# Altium PCB 2312_BadgePlaceTravail.PcbDoc (part 1 of 2) (continued)
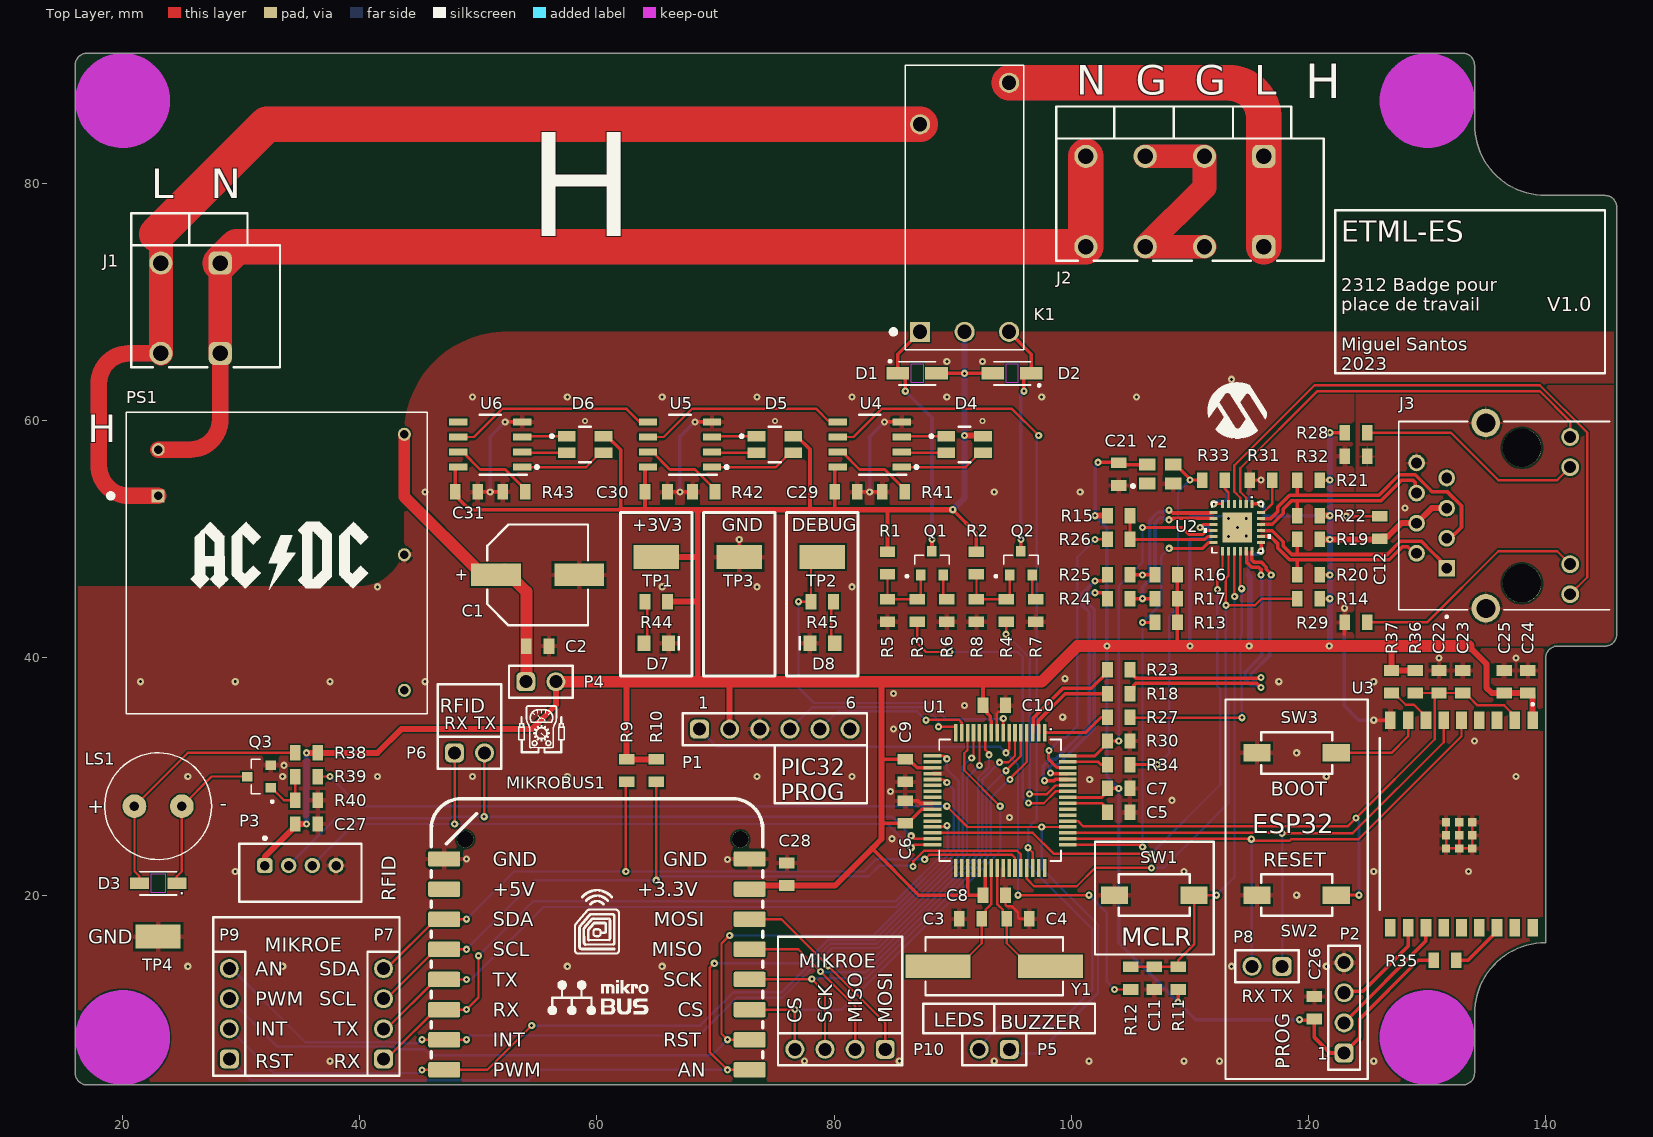
[diagram p0: Top Layer view]
## Footprints (in the part's own frame and the unit in brackets; to place one, negate y for a bottom-side part, rotate by r counter-clockwise, add the part's x,y. Pads: shape width x height; smd on the part's side, far side on the other; paste and mask are expansions set on the pad)
2312-RES-0805 [mm]
  rect 0.9x1.3 smd: 1(-0.95,0) 2(0.95,0)
  body extent -1,-0.63 1,0.63, height 0.52
61300211121 [mm] "Pin Header, pitch 2.54 mm, THT, Vertical, single row, 2p"
  rrect50% 1.6x1.6 hole 1.1: 1(-1.27,0)
  round 1.6 hole 1.1: 2(1.27,0)
  silkscreen extent -2.69,-1.35 2.69,1.35, body extent -2.54,-1.27 2.54,1.27, height 8.57
61300411121 [mm] "Pin Header, pitch 2.54 mm, THT, Vertical, single row, 4p"
  rrect50% 1.6x1.6 hole 1.1: 1(-3.81,0)
  round 1.6 hole 1.1: 2(-1.27,0) 3(1.27,0) 4(3.81,0)
  silkscreen extent -5.23,-1.35 5.23,1.35, body extent -5.08,-1.27 5.08,1.27, height 8.57
61300611121 [mm] "Pin Header, pitch 2.54 mm, THT, Vertical, single row, 6p"
  rrect50% 1.6x1.6 hole 1.1: 1(-6.35,0)
  round 1.6 hole 1.1: 2(-3.81,0) 3(-1.27,0) 4(1.27,0) 5(3.81,0) 6(6.35,0)
  silkscreen extent -7.77,-1.35 7.77,1.35, body extent -7.62,-1.27 7.62,1.27, height 8.57
62000411622 [mm] "2.00mm Male Vertical Shrouded Header, 4p"
  rrect50% 1.3x1.3 hole 0.8: 1(3,-0.6)
  round 1.3 hole 0.8: 2(1,-0.6) 3(-1,-0.6) 4(-3,-0.6)
  silkscreen extent -5.15,-3.02 5.15,2.45, body extent -5,-2.35 5,2.35, height 6.13
691401700002B [mm] "5.00 mm Screwless Vertical Entry - 2.0 mm2 Wires, 2p"
  rrect50% 1.95x1.95 hole 1.3: 1(-1.23,5.32) 1(-1.23,-2.3)
  round 1.95 hole 1.3: 2(3.77,5.32) 2(3.77,-2.3)
  silkscreen extent -6.27,-6.5 6.27,6.5, body extent -6.27,-6.5 6.27,6.5, height 14.05
691401700004B [mm] "5.00 mm Screwless Vertical Entry - 2.0 mm2 Wires, 4p"
  rrect50% 1.95x1.95 hole 1.3: 1(-6.23,5.32) 1(-6.23,-2.3)
  round 1.95 hole 1.3: 2(-1.23,5.32) 2(-1.23,-2.3) 3(3.77,5.32) 3(3.77,-2.3) 4(8.77,-2.3) 4(8.77,5.32)
  silkscreen extent -11.27,-6.5 11.27,6.5, body extent -11.27,-6.5 11.27,6.5, height 14.1
ADW1203HLW [mm]
  rect 1.7x1.7 hole 1.2: 1(-10.5,3.75)
  round 1.7 hole 1.2: 3(7,3.75) 5(10.5,-3.75) 6(-10.5,-3.75) 7(-10.5,0)
  silkscreen extent -12,-5 12,6.2, body extent -12,-5 12,5, height 15.8
CONV_RAC05-3.3SK [mm]
  rect 1.11x1.11 hole 0.71: 1(-10,5.67)
  round 1.11 hole 0.71: 2(-10,9.57) 3(10.76,-10.73) 4(10.76,0.7) 5(10.76,10.86)
  silkscreen extent -14.2,-12.7 12.7,12.7, body extent -12.8,-12.8 12.8,12.8, height 16.6
CUI_CRJ011-ML3-TH [mm]
  round 1.508 hole 1: 9(-6.63,-4.06) 10(-4.09,-4.06) 11(4.09,-4.06) 12(6.63,-4.06)
  rect 1.408x1.408 / inner round 1.408 / far side rect 1.408x1.408 hole 0.9: P1(-4.445,6.35)
  round 1.408 hole 0.9: P2(-3.175,8.89) P3(-1.905,6.35) P4(-0.635,8.89) P5(0.635,6.35) P6(1.905,8.89) P7(3.175,6.35) P8(4.445,8.89)
  round 2.4 hole 1.6: S1(-7.815,3.05) S2(7.815,3.05)
  round 3.25 hole 3.25 unplated: ""(-5.715,0) ""(5.715,0)
  silkscreen extent -8.62,-7.39 7.94,10.38, body extent -8.36,-10.92 8.32,10.35, height 13.6
D0008A_M [mm]
  rrect10% 1.55x0.6 smd paste+0: 1(-2.7,1.905) 2(-2.7,0.635) 3(-2.7,-0.635) 4(-2.7,-1.905) 5(2.7,-1.905) 6(2.7,-0.635) 7(2.7,0.635) 8(2.7,1.905)
  silkscreen extent -4.06,-2.5 0.9,2.55, body extent -3.01,-2.45 3.01,2.45, height 1.63
ESP32C3WROOM02N4 [mm]
  rect 1.5x0.9 smd: 1(-8.75,12.9) 2(-8.75,11.4) 3(-8.75,9.9) 4(-8.75,8.4) 5(-8.75,6.9) 6(-8.75,5.4) 7(-8.75,3.9) 8(-8.75,2.4) 9(-8.75,0.9) 10(8.75,0.9) 11(8.75,2.4) 12(8.75,3.9) 13(8.75,5.4) 14(8.75,6.9) 15(8.75,8.4) 16(8.75,9.9) 17(8.75,11.4) 18(8.75,12.9)
  rect 0.7x0.7 smd: 9(-0.14,7.8) 9(-0.14,6.7) 9(-0.14,5.6) 9(0.96,7.8) 9(0.96,6.7) 9(0.96,5.6) 9(2.06,7.8) 9(2.06,5.6) 9(2.06,6.7)
  silkscreen extent -10.2,0 7.25,13, body extent -9.01,0 8.99,20, height 3.2
KSTN-5019_V [mm] "Test Point, 1-Leads, Body 3.81x2.03mm"
  rect 3.8x2.03 smd: 1(0,0)
  body extent -1.9,-1.01 1.9,1.02, height 2.29
MBR0580S1-7_DIO [mil]
  rect 63x39 smd paste+0 mask+0: 1(-62.22,0) 2(62.22,0)
  Keep-Out Layer region: -23.62,-31.5 -23.62,31.5 23.62,31.5 23.62,-31.5
  silkscreen extent -61,-39 61,39, body extent -80,-34 80,34, height 53
MBR0580S1-7_DIO-M [mil]
  rect 75x41 smd paste+0 mask+0: 1(-64.22,0) 2(64.22,0)
  Keep-Out Layer region: -19.68,-31.5 -19.68,31.5 19.68,31.5 19.68,-31.5
  silkscreen extent -94,-38 61,44, body extent -80,-34 80,34, height 53
"MIKROBUS HOST SMD 16 - BLACK" [mm]
  round 1.4 hole 1.4 unplated: 0(-12.094,-9.703) 0(11.106,-9.703)
  rrect20% 2.7x1.3 smd mask+0.076: 1(-12.88,9.728) 2(-12.88,7.188) 3(-12.88,4.648) 4(-12.88,2.108) 5(-12.88,-0.432) 6(-12.88,-2.972) 7(-12.88,-5.512) 8(-12.88,-8.052) 9(12.88,-8.052) 10(12.88,-5.512) 11(12.88,-2.972) 12(12.88,-0.432) 13(12.88,2.108) 14(12.88,4.648) 15(12.88,7.188) 16(12.88,9.728)
  silkscreen extent -13.97,-13.13 13.97,8.71, body extent -13.72,-11.88 13.74,11.02, height 11.01
QFN24-6X6_MC_MCH [mm]
  rect 0.68x0.254 smd paste+0 mask+0: 1(-2,1.25) 2(-2,0.75) 3(-2,0.25) 4(-2,-0.25) 5(-2,-0.75) 6(-2,-1.25) 13(2,-1.25) 14(2,-0.75) 15(2,-0.25) 16(2,0.25) 17(2,0.75) 18(2,1.25)
  rect 0.254x0.68 smd paste+0 mask+0: 7(-1.25,-2) 8(-0.75,-2) 9(-0.25,-2) 10(0.25,-2) 11(0.75,-2) 12(1.25,-2) 19(1.25,2) 20(0.75,2) 21(0.25,2) 22(-0.25,2) 23(-0.75,2) 24(-1.25,2)
  rect 2.5x2.5 smd paste-1.283 mask+0: 25(0,0)
  silkscreen extent -2.13,-2.82 2.13,2.82, body extent -2.01,-2.01 2.01,2.01, height 0.92
SOT91P240X120-3N [mm]
  rect 0.8x0.9 smd: 1(0,1) 2(-0.95,-1) 3(0.95,-1)
  silkscreen extent -2.21,-1.21 1.45,0.65, body extent -1.45,-1.21 1.45,1.21, height 1.02
TQFP64_10X10MC_MCH [mm]
  rect 1.5x0.3 smd paste+0 mask+0: 1(-5.7,3.75) 2(-5.7,3.25) 3(-5.7,2.75) 4(-5.7,2.25) 5(-5.7,1.75) 6(-5.7,1.25) 7(-5.7,0.75) 8(-5.7,0.25) 9(-5.7,-0.25) 10(-5.7,-0.75) 11(-5.7,-1.25) 12(-5.7,-1.75) 13(-5.7,-2.25) 14(-5.7,-2.75) 15(-5.7,-3.25) 16(-5.7,-3.75) 33(5.7,-3.75) 34(5.7,-3.25) 35(5.7,-2.75) 36(5.7,-2.25) 37(5.7,-1.75) 38(5.7,-1.25) 39(5.7,-0.75) 40(5.7,-0.25) 41(5.7,0.25) 42(5.7,0.75) 43(5.7,1.25) 44(5.7,1.75) 45(5.7,2.25) 46(5.7,2.75) 47(5.7,3.25) 48(5.7,3.75)
  rect 0.3x1.5 smd paste+0 mask+0: 17(-3.75,-5.7) 18(-3.25,-5.7) 19(-2.75,-5.7) 20(-2.25,-5.7) 21(-1.75,-5.7) 22(-1.25,-5.7) 23(-0.75,-5.7) 24(-0.25,-5.7) 25(0.25,-5.7) 26(0.75,-5.7) 27(1.25,-5.7) 28(1.75,-5.7) 29(2.25,-5.7) 30(2.75,-5.7) 31(3.25,-5.7) 32(3.75,-5.7) 49(3.75,5.7) 50(3.25,5.7) 51(2.75,5.7) 52(2.25,5.7) 53(1.75,5.7) 54(1.25,5.7) 55(0.75,5.7) 56(0.25,5.7) 57(-0.25,5.7) 58(-0.75,5.7) 59(-1.25,5.7) 60(-1.75,5.7) 61(-2.25,5.7) 62(-2.75,5.7) 63(-3.25,5.7) 64(-3.75,5.7)
  silkscreen extent -5.13,-5.13 5.13,5.13, body extent -5.99,-5.99 5.99,5.99, height 1.2
WCAP-CSGP_0805_L2W1.25H0.6_Reflow [mm] "Ceramic Capacitors, body 2x1.25mm"
  rect 0.9x1.3 smd: 1(-0.95,0) 2(0.95,0)
  body extent -1,-0.63 1,0.63, height 0.6
WCAP-CSGP_0805_L2W1.25H0.8_Reflow [mm] "Ceramic Capacitors, body 2x1.25mm"
  rect 0.9x1.3 smd: 1(-0.95,0) 2(0.95,0)
  body extent -1,-0.62 1,0.63, height 0.8
WCAP-CSGP_0805_L2W1.25H1.25 [mm] "Ceramic Capacitors, body 2x1.25mm"
  rect 0.9x1.3 smd: 1(-0.95,0) 2(0.95,0)
  body extent -1,-0.63 1,0.63, height 1.25
WCAP-PSHP_D8H7.7 [mm] "Aluminium Polymer V-Chip SMT Capacitors, D8mm x L7.7mm"
  rect 4.2x1.9 smd: 1(3.5,0) 2(-3.5,0)
  silkscreen extent -4.25,-4.25 4.25,4.25, body extent -4.5,-4.15 4.5,4.15, height 7.7
WE-SPXO_CFPS-39 [mm] "Simple Packaged Quartz Oscillator, body 3.2x2.5mm"
  rect 1.4x1 smd: 1(-1.1,-0.8) 2(1.1,-0.8) 3(1.1,0.8) 4(-1.1,0.8)
  silkscreen extent -2.42,-1.12 -2.17,-0.88, body extent -1.6,-1.25 1.6,1.25, height 1.05
WE-XTAL_HC49/4HSMX [mm] "Quartz Crystal, size HC49/4HSMX, body 11.4x4.9mm"
  rect 5.5x2 smd: 1(-4.75,0) 2(4.75,0)
  silkscreen extent -5.8,-2.45 5.8,2.45, body extent -6.7,-2.45 6.7,2.45, height 4.3
WL-SFTW_3528_150141M173100 [mm] "SMT Full-color TOP LED Waterclear, body 3.5x2.8mm"
  rect 1.5x0.9 smd: 1(1.55,0.7) 2(1.55,-0.7) 3(-1.55,0.7) 4(-1.55,-0.7)
  silkscreen extent -2.92,-1.5 0.5,1.5, body extent -1.75,-1.4 1.75,1.4, height 1.9
WL-SMCW_0805_150080xx75000 [mm] "SMD Mono-color Chip LED, body 2.0x1.25mm"
  rect 1.1x1.3 smd: 1(-1.05,0) 2(1.05,0)
  silkscreen extent -2,-0.6 -1.8,0.6, body extent -1,-0.63 1,0.62, height 0.7
WS-TASV_L6W3.5H5_4341x10508x6 [mm] "SMD Tact Switch, body 6x3.5mm"
  rect 2.3x1.5 smd: 1(-3.35,0) 2(3.35,0)
  silkscreen extent -3,-1.75 3,1.75, body extent -4,-1.75 4,1.75, height 5
XDCR_CMT-0904-83T [mm]
  round 2 hole 0.8: N(2,0) P(-2,0)
  silkscreen extent -4.5,-4.5 4.5,4.5, body extent -4.5,-4.5 4.5,4.5, height 4.85

## Part data
C1: "WCAP-PSHP Aluminum Polymer Capacitor, V-Chip, SMT, D8 x H7.7mm, 470µF, 6.3V", Capacitance=470µF, Capacitance Tolerance=+/-20%, Leakage Current=592µA, Manufacturer="Wurth Elektronik", Operating Temperature Max=105°C, Operating Temperature Min=-55°C, Rated Voltage (DC)=6.3V, Ripple Current=3500mA, Category="Aluminum Polymer Capacitors", ComponentLink1Description="Website Link", ComponentLink1URL=https://www.we-online.com/redexpert/article/875115150005?ad, ComponentLink2Description="Datasheet Link", ComponentLink2URL=https://www.we-online.com/redexpert/spec/875115150005?ad, Diameter=8mm, Dissipation Factor=8%, Endurance=2000h, ESR=20mΩ, Height=7.7mm, Manufacturer Part Number=875115150005, Match Code=WCAP-PSHP, Mount="Surface Mount", Packaging="Tape and Reel", Technical Reference=PSEE077471M6R3DVCTDB000
C2 C6 C7 C8 C9 C10 C11 C14 C16 C18 C21 C23 C25 C26 C27 C28 C29 C30 C31: "WCAP-CSGP Multilayer Ceramic Chip Capacitor, General Purpose, size 0805, X7R, 100nF, 10VDC", Capacitance=100nF, Capacitance Tolerance=+/-10%, Case/Size Code=0805, Insulation Resistance=5GΩ, Manufacturer="Wurth Elektronik", Operating Temperature Max=125°C, Operating Temperature Min=-55°C, Rated Voltage (DC)=10V, Category="Multilayer Ceramic Chip Capacitors", Ceramic Type=X7R, ComponentLink1Description="Website Link", ComponentLink1URL=https://www.we-online.com/redexpert/article/885012207016?ad, ComponentLink2Description="Datasheet Link", ComponentLink2URL=https://www.we-online.com/redexpert/spec/885012207016?ad, Dissipation Factor=5%, Height=0.8mm, Length=2mm, Manufacturer Part Number=885012207016, Match Code=WCAP-CSGP, Mount="Surface Mount", Packaging="Tape and Reel", Technical Reference=X7R0805104K010DFCT10000, Width=1.25mm
C3 C4: "WCAP-CSGP Multilayer Ceramic Chip Capacitor, General Purpose, size 0805, NP0, 22pF, 10VDC", Capacitance=22pF, Capacitance Tolerance=+/-5%, Case/Size Code=0805, Insulation Resistance=10GΩ, Manufacturer="Wurth Elektronik", Operating Temperature Max=125°C, Operating Temperature Min=-55°C, Rated Voltage (DC)=10V, Category="Multilayer Ceramic Chip Capacitors", Ceramic Type=NP0, ComponentLink1Description="Website Link", ComponentLink1URL=https://www.we-online.com/redexpert/article/885012007002?ad, ComponentLink2Description="Datasheet Link", ComponentLink2URL=https://www.we-online.com/redexpert/spec/885012007002?ad, Height=0.6mm, Length=2mm, Manufacturer Part Number=885012007002, Match Code=WCAP-CSGP, Mount="Surface Mount", Packaging="Tape and Reel", Q Factor=840, Technical Reference=NP00805220J010DFCT10000, Width=1.25mm
C5: "WCAP-CSGP Multilayer Ceramic Chip Capacitor, General Purpose, size 0805, X7R, 10µF, 6.3VDC", Capacitance=10µF, Capacitance Tolerance=+/-10%, Case/Size Code=0805, Insulation Resistance=0.01GΩ, Manufacturer="Wurth Elektronik", Operating Temperature Max=125°C, Operating Temperature Min=-55°C, Rated Voltage (DC)=6.3V, Category="Multilayer Ceramic Chip Capacitors", Ceramic Type=X7R, ComponentLink1Description="Website Link", ComponentLink1URL=https://www.we-online.com/redexpert/article/885012207003?ad, ComponentLink2Description="Datasheet Link", ComponentLink2URL=https://www.we-online.com/redexpert/spec/885012207003?ad, Dissipation Factor=10%, Height=1.25mm, Length=2mm, Manufacturer Part Number=885012207003, Match Code=WCAP-CSGP, Mount="Surface Mount", Packaging="Tape and Reel", Technical Reference=X7R0805106K6R3DFCT10000, Width=1.25mm
C12: "WCAP-CSGP Multilayer Ceramic Chip Capacitor, General Purpose, size 0805, X7R, 22nF, 10VDC", Capacitance=22nF, Capacitance Tolerance=+/-10%, Case/Size Code=0805, Insulation Resistance=10GΩ, Manufacturer="Wurth Elektronik", Operating Temperature Max=125°C, Operating Temperature Min=-55°C, Rated Voltage (DC)=10V, Category="Multilayer Ceramic Chip Capacitors", Ceramic Type=X7R, ComponentLink1Description="Website Link", ComponentLink1URL=https://www.we-online.com/redexpert/article/885012207013?ad, ComponentLink2Description="Datasheet Link", ComponentLink2URL=https://www.we-online.com/redexpert/spec/885012207013?ad, Dissipation Factor=5%, Height=0.8mm, Length=2mm, Manufacturer Part Number=885012207013, Match Code=WCAP-CSGP, Mount="Surface Mount", Packaging="Tape and Reel", Technical Reference=X7R0805223K010DFCT10000, Width=1.25mm
C13 C15 C17 C19 C22: "WCAP-CSGP Multilayer Ceramic Chip Capacitor, General Purpose, size 0805, X7R, 1µF, 10VDC", Capacitance=1µF, Capacitance Tolerance=+/-10%, Case/Size Code=0805, Insulation Resistance=0.5GΩ, Manufacturer="Wurth Elektronik", Operating Temperature Max=125°C, Operating Temperature Min=-55°C, Rated Voltage (DC)=10V, Category="Multilayer Ceramic Chip Capacitors", Ceramic Type=X7R, ComponentLink1Description="Website Link", ComponentLink1URL=https://www.we-online.com/redexpert/article/885012207022?ad, ComponentLink2Description="Datasheet Link", ComponentLink2URL=https://www.we-online.com/redexpert/spec/885012207022?ad, Dissipation Factor=5%, Height=1.25mm, Length=2mm, Manufacturer Part Number=885012207022, Match Code=WCAP-CSGP, Mount="Surface Mount", Packaging="Tape and Reel", Technical Reference=X7R0805105K010DFCT10000, Width=1.25mm
C20: "WCAP-CSGP Multilayer Ceramic Chip Capacitor, General Purpose, size 0805, NP0, 470pF, 10VDC", Capacitance=470pF, Capacitance Tolerance=+/-5%, Case/Size Code=0805, Insulation Resistance=10GΩ, Manufacturer="Wurth Elektronik", Operating Temperature Max=125°C, Operating Temperature Min=-55°C, Rated Voltage (DC)=10V, Category="Multilayer Ceramic Chip Capacitors", Ceramic Type=NP0, ComponentLink1Description="Website Link", ComponentLink1URL=https://www.we-online.com/redexpert/article/885012007007?ad, ComponentLink2Description="Datasheet Link", ComponentLink2URL=https://www.we-online.com/redexpert/spec/885012007007?ad, Height=0.8mm, Length=2mm, Manufacturer Part Number=885012007007, Match Code=WCAP-CSGP, Mount="Surface Mount", Packaging="Tape and Reel", Q Factor=1000, Technical Reference=NP00805471J010DFCT10000, Width=1.25mm
C24: "WCAP-CSGP Multilayer Ceramic Chip Capacitor, General Purpose, size 0805, X5R, 10µF, 6.3VDC", Capacitance=10µF, Capacitance Tolerance=+/-20%, Case/Size Code=0805, Insulation Resistance=0.01GΩ, Manufacturer="Wurth Elektronik", Operating Temperature Max=85°C, Operating Temperature Min=-55°C, Rated Voltage (DC)=6.3V, Category="Multilayer Ceramic Chip Capacitors", Ceramic Type=X5R, ComponentLink1Description="Website Link", ComponentLink1URL=https://www.we-online.com/redexpert/article/885012107004?ad, ComponentLink2Description="Datasheet Link", ComponentLink2URL=https://www.we-online.com/redexpert/spec/885012107004?ad, Dissipation Factor=15%, Height=1.25mm, Length=2mm, Manufacturer Part Number=885012107004, Match Code=WCAP-CSGP, Mount="Surface Mount", Packaging="Tape and Reel", Technical Reference=X5R0805106M6R3DFCT10000, Width=1.25mm
D1 D2 D3: "Diode Shottky, 500mA, 80V", Mfr_Name="Diodes Inc", Digi-Key_Part_Number_1=MBR0580S1-7DITR-ND, Digi-Key_Part_Number_2=MBR0580S1-7DICT-ND, Digi-Key_Part_Number_3=MBR0580S1-7DIDKR-ND, RefDes=RefDes, Type=Type
D4 D5 D6: "WL-SFTW Full-color TOP LED Waterclear, size 3528, Red & Green & Blue, 120°", Case/Size Code=3528, Emitting Color="Red & Green & Blue", Forward Voltage (Blue)=3.2V, Forward Voltage (Red)=2V, Manufacturer="Wurth Elektronik", Operating Temperature Max=85°C, Operating Temperature Min=-40°C, Category="Signal LEDs", Chip Technology="AlInGaP + InGaN", ComponentLink1Description="Website Link", ComponentLink1URL=https://www.we-online.com/redexpert/article/150141M173100?ad, ComponentLink2Description="Datasheet Link", ComponentLink2URL=https://www.we-online.com/redexpert/spec/150141M173100?ad, Dominant Wavelength (Blue)=470nm, Dominant Wavelength (Green)=520nm, Dominant Wavelength (Red)=625nm, Forward Voltage (Green)=3.2V, Height=1.9mm, Length=3.5mm, Luminous Intensity (Blue)=230mcd, Luminous Intensity (Green)=950mcd, Luminous Intensity (Red)=270mcd, Manufacturer Part Number=150141M173100, Match Code=WL-SFTW, Mount="Surface Mount", Packaging="Tape and Reel", Peak Wavelength (Blue)=465nm, Peak Wavelength (Green)=515nm, Peak Wavelength (Red)=635nm, Viewing Angle=120°, Width=2.8mm
D7 D8: "WL-SMCW Mono-color Chip LED Waterclear, size 0805, Super Red, 1.9V, 140°", Case/Size Code=0805, Emitting Color="Super Red", Forward Voltage=1.9V, Manufacturer="Wurth Elektronik", Operating Temperature Max=85°C, Operating Temperature Min=-40°C, Category="Signal LEDs", Chip Technology=AlInGaP, ComponentLink1Description="Website Link", ComponentLink1URL=https://www.we-online.com/redexpert/article/150080SS75000?ad, ComponentLink2Description="Datasheet Link", ComponentLink2URL=https://www.we-online.com/redexpert/spec/150080SS75000?ad, Dominant Wavelength=630nm, Height=0.7mm, Length=2mm, Luminous Intensity=60mcd, Manufacturer Part Number=150080SS75000, Match Code=WL-SMCW, Mount="Surface Mount", Packaging="Tape and Reel", Peak Wavelength=645nm, Viewing Angle=140°, Width=1.25mm
J1: "WR-TBL Series 401B Vertical Entry, THT, pitch 5mm, 2p", Manufacturer="Wurth Elektronik", Operating Temperature Max=105°C, Operating Temperature Min=-40°C, Rated Current=10A, Working Voltage=300V, Application=Screwless, Category="Terminal Blocks", ComponentLink1Description="Website Link", ComponentLink1URL=https://www.we-online.com/redexpert/article/691401700002B?ad, ComponentLink2Description="Datasheet Link", ComponentLink2URL=https://www.we-online.com/redexpert/spec/691401700002B?ad, Manufacturer Part Number=691401700002B, Match Code=WR-TBL, Modularity=No, Mount="Through Hole", Number of Pins=2, Number of Rows=1, Orientation=Vertical, Packaging=Box, Pitch=5mm
J2: "WR-TBL Series 401B Vertical Entry, THT, pitch 5mm, 4p", Manufacturer="Wurth Elektronik", Operating Temperature Max=105°C, Operating Temperature Min=-40°C, Rated Current=10A, Working Voltage=300V, Application=Screwless, Category="Terminal Blocks", ComponentLink1Description="Website Link", ComponentLink1URL=https://www.we-online.com/redexpert/article/691401700004B?ad, ComponentLink2Description="Datasheet Link", ComponentLink2URL=https://www.we-online.com/redexpert/spec/691401700004B?ad, Manufacturer Part Number=691401700004B, Match Code=WR-TBL, Modularity=No, Mount="Through Hole", Number of Pins=4, Number of Rows=1, Orientation=Vertical, Packaging=Box, Pitch=5mm
J3: "Modular Jack", Package=None, Availability=Unavailable, MP=CRJ011-ML3-TH, Price=None
K1: "RELAY GEN PURPOSE SPST 16A 3V", Manufacturer="Panasonic Electric Works", Rated Current=16A, Working Voltage=3V, Manufacturer Part Number=ADW1203HLW
LS1: "Buzzer Magnetic, 15Ω", Package=None, Availability=Unavailable, MP=CMT-0904-83T, Price=None
MIKROBUS1: library part "MIKROBUS HOST CONN", "mikroBUS socket"
P1: "WR-PHD Pin Header, THT, Vertical, pitch 2.54mm, 1 Row, 6P", Contact Resistance=20mΩ, Manufacturer="Wurth Elektronik", Operating Temperature Max=105°C, Operating Temperature Min=-40°C, Rated Current=3A, Withstanding Voltage=500V, Working Voltage=250V, Category="Board-to-Board Connectors", ComponentLink1Description="Website Link", ComponentLink1URL=https://www.we-online.com/redexpert/article/61300611121?ad, ComponentLink2Description="Datasheet Link", ComponentLink2URL=https://www.we-online.com/redexpert/spec/61300611121?ad, Gender="Pin Header", Manufacturer Part Number=61300611121, Match Code=WR-PHD, Mount="Through Hole", Number of Pins=6, Number of Rows=1, Orientation=Vertical, Packaging=Bag, Pitch=2.54mm
P2 P7 P9 P10: "WR-PHD Pin Header, THT, Vertical, pitch 2.54mm, 1 Row, 4P", Contact Resistance=20mΩ, Manufacturer="Wurth Elektronik", Operating Temperature Max=105°C, Operating Temperature Min=-40°C, Rated Current=3A, Withstanding Voltage=500V, Working Voltage=250V, Category="Board-to-Board Connectors", ComponentLink1Description="Website Link", ComponentLink1URL=https://www.we-online.com/redexpert/article/61300411121?ad, ComponentLink2Description="Datasheet Link", ComponentLink2URL=https://www.we-online.com/redexpert/spec/61300411121?ad, Gender="Pin Header", Manufacturer Part Number=61300411121, Match Code=WR-PHD, Mount="Through Hole", Number of Pins=4, Number of Rows=1, Orientation=Vertical, Packaging=Bag, Pitch=2.54mm
P3: "WR-WTB Male Vertical Shrouded Header, pitch 2mm, 4pins", Contact Resistance=20mΩ, Manufacturer="Wurth Elektronik", Operating Temperature Max=85°C, Operating Temperature Min=-25°C, Rated Current=2A, Withstanding Voltage=800VAC, Working Voltage=125VAC, Category="Wire-to-Board Connectors", ComponentLink1Description="Website Link", ComponentLink1URL=https://www.we-online.com/redexpert/article/62000411622?ad, ComponentLink2Description="Datasheet Link", ComponentLink2URL=https://www.we-online.com/redexpert/spec/62000411622?ad, Gender=Male, Height=6.1mm, Length=10mm, Manufacturer Part Number=62000411622, Match Code=WR-WTB, Mount="Through Hole", Number of Pins=4, Number of Rows=1, Orientation=Vertical, Packaging=Bag, Pitch=2mm, Width=4.7mm
P4 P5 P6 P8: "WR-PHD Pin Header, THT, Vertical, pitch 2.54mm, 1 Row, 2P", Contact Resistance=20mΩ, Manufacturer="Wurth Elektronik", Operating Temperature Max=105°C, Operating Temperature Min=-40°C, Rated Current=3A, Withstanding Voltage=500V, Working Voltage=250V, Category="Board-to-Board Connectors", ComponentLink1Description="Website Link", ComponentLink1URL=https://www.we-online.com/redexpert/article/61300211121?ad, ComponentLink2Description="Datasheet Link", ComponentLink2URL=https://www.we-online.com/redexpert/spec/61300211121?ad, Gender="Pin Header", Manufacturer Part Number=61300211121, Match Code=WR-PHD, Mount="Through Hole", Number of Pins=2, Number of Rows=1, Orientation=Vertical, Packaging=Bag, Pitch=2.54mm
PS1: "5W AC/DC-Converter 'POWERLINE' 1x1 4kV reg", Package="DIP-5 Recom Power", Availability=Unavailable, MF="Recom Power", MP=RAC05-3.3SK, Price=None, SnapEDA_Link=https://www.snapeda.com/parts/RAC05-3.3SK/Recom%20Power/view-part/2834355/?ref=snap
Q1 Q2 Q3: library part MMBTA06LT3G, "Bipolar (BJT) Transistor NPN 80V 500mA 100MHz 225mW Surface Mount SOT-23-3 (TO-236)"
R1 R8: "SMD Resistor 0805, 1.4kΩ", Resistance=1.4k
R2 R5: "SMD Resistor 0805, DNP", Resistance=DNP
R3 R4 R39: "SMD Resistor 0805, 140Ω", Resistance=140
R6 R7: "SMD Resistor 0805, 2Ω", Resistance=2
R9 R10 R11 R35 R36 R37 R40: "SMD Resistor 0805, 10kΩ", Resistance=10k
R12: "SMD Resistor 0805, 1kΩ", Resistance=1k
R13: "SMD Resistor 0805, 1.5kΩ", Resistance=1.5k
R14 R15 R16 R17 R30: "SMD Resistor 0805, 4.7kΩ", Resistance=4.7k
R18 R23 R24 R25 R26 R27 R33 R34: "SMD Resistor 0805, 33Ω", Resistance=33
R19 R20 R21 R22: "SMD Resistor 0805, 51Ω", Resistance=51
R28 R29: "SMD Resistor 0805, 270Ω", Resistance=270
R31: "SMD Resistor 0805, 12.1kΩ", Resistance=12.1k
R32 R38: "SMD Resistor 0805, 0Ω", Resistance=0
R41 R42 R43: "SMD Resistor 0805, 2.6kΩ", Resistance=2.7k
R44 R45: "SMD Resistor 0805, 330Ω", Resistance=330
SW1 SW2 SW3: "WS-TASV SMT Tact Switch, L6 x W3.5 x H5mm, 360g, SPST-NO, 12V, 50mA", Manufacturer="Wurth Elektronik", Operating Temperature Max=85°C, Operating Temperature Min=-40°C, Rated Current=50mA, Rated Voltage (DC)=12V, Category="Tact Switches", Circuit=SPST-NO, ComponentLink1Description="Website Link", ComponentLink1URL=https://www.we-online.com/redexpert/article/434121050836?ad, ComponentLink2Description="Datasheet Link", ComponentLink2URL=https://www.we-online.com/redexpert/spec/434121050836?ad, Contact Material="Stainless Steel", Contact Plating=Silver, Height=5mm, Length=6mm, Manufacturer Part Number=434121050836, Match Code=WS-TASV, Mount="Surface Mount", Operation Force=360g, Packaging="Tape and Reel", Terminal Material="Copper Alloy", Terminal Plating=Silver, Washable=No, Width=3.5mm
TP1 TP2 TP3 TP4: library part CMP-1672-00008-1, "Test Point, 1 Position SMD, RoHS, Tape and Reel", Package Quantity=1000, ComponentLink1Description="Manufacturer URL", ComponentLink1URL=http://www.keyelco.com/, ComponentLink2Description=Datasheet, ComponentLink2URL=http://www.keyelco.com/product-pdf.cfm?p=1357, Contact Plating=Silver, DatasheetVersion=03/2014, Mount="Surface Mount", Mounting Technology="Surface Mount", PackageDescription="1-Pin Surface Mount Device, Body 3.81 x 2.03 mm", PackageReference=5019, Packaging="Tape and Reel", Pins=1, RoHSCompliant=True
U1 U2: "No Description Available", Mfr_Name=Microchip, RefDes=RefDes, Type=Type
  U2: Digi-Key_Part_Number_1=LAN8720A-CP-TR-ABCCT-ND, Digi-Key_Part_Number_2=LAN8720A-CP-TR-ABCDKR-ND, Digi-Key_Part_Number_3=LAN8720A-CP-TR-ABCTR-ND
U3: "WiFi Modules (802.11) (Engineering Samples) SMD module, ESP32-C3, 4MB SPI flash, PCB antenna, -40 C +85 C", Manufacturer_Name="Espressif Systems", Mouser Part Number=356-ESP32C3WROOM02N4, Datasheet Link=https://www.mouser.ch/datasheet/2/891/Espressif_ESP32_C3_WROOM_02-2006871.pdf, Geometry.Height=3.35mm, Manufacturer_Part_Number=ESP32-C3-WROOM-02-N4, Mouser Price/Stock=https://www.mouser.co.uk/ProductDetail/Espressif-Systems/ESP32-C3-WROOM-02-N4?qs=stqOd1AaK7%2FqjTZKEOgfUg%3D%3D
U4 U5 U6: "No Description Available", Mfr_Name="Texas Instruments", RefDes=RefDes, Type=TYPE
Y1: "WE-XTAL Quartz Crystal, SMT, HC49/4HSMX, 8MHz, +/-30ppm", Case/Size Code=HC49/4HSMX, Frequency=8MHz, Frequency Stability=+/-50ppm, Frequency Tolerance=+/-30ppm, Load Capacitance=18pF, Manufacturer="Wurth Elektronik", Operating Temperature Max=70°C, Operating Temperature Min=-20°C, Category=Crystals, ComponentLink1Description="Website Link", ComponentLink1URL=https://www.we-online.com/redexpert/article/830020423?ad, ComponentLink2Description="Datasheet Link", ComponentLink2URL=https://www.we-online.com/redexpert/spec/830020423?ad, Height=4.3mm, Length=11.4mm, Manufacturer Part Number=830020423, Match Code=WE-XTAL, Mount="Surface Mount", Packaging="Tape and Reel", Width=4.9mm
Y2: "WE-SPXO Simple Packaged Quartz Oscillator, SMT, CFPS-39, 50MHz, 3.3V", Case/Size Code=CFPS-39, Frequency=50MHz, Frequency Stability=+/-25ppm, Manufacturer="Wurth Elektronik", Operating Temperature Max=85°C, Operating Temperature Min=-40°C, Supply Voltage=3.3V, Category=Oscillators, ComponentLink1Description="Website Link", ComponentLink1URL=https://www.we-online.com/redexpert/article/831055872?ad, ComponentLink2Description="Datasheet Link", ComponentLink2URL=https://www.we-online.com/redexpert/spec/831055872?ad, Height=1.2mm, Length=3.2mm, Manufacturer Part Number=831055872, Match Code=WE-SPXO, Mount="Surface Mount", Packaging="Tape and Reel", Width=2.5mm

## Free pads (board coordinates)
  round 3.4 hole 3.4: M3(20,8) M3(20,87) M3(130,8) M3(130,87)

## Via types
v1: diameter 0.61, hole 0.25, Top Layer to Bottom Layer, 200 vias
v2: diameter 0.51, hole 0.25, Top Layer to Bottom Layer, 3 vias

## Nets (pads, with @x,y where several pads share a name; then routed paths per layer and width w, separated by ;. In a path a pad name is that pad's centre, name@x,y a point inside that pad or via, vN(x,y) a via of type N, cw(c..) or ccw(c..) an arc to the next point about the centre after c; other vN are vias at no path point)
+3V3: C6.2 C7.2 C8.2 C9.2 C10.2 C12.2 C13.2 C14.2 C15.2 C16.2 C17.2 C18.2 C21.2 C24.2 C25.2 C26.2 C27.2 C28.2 C29.2 C30.2 C31.2 D1.2 D2.2 D4.1 D5.1 D6.1 J3.P4 J3.P5 K1.7 MIKROBUS1.7 P1.2 P2.1 P3.1 P4.2 R1.2 R2.2 R9.2 R10.1 R11.1 R13.2 R14.2 R15.2 R16.2 R17.2 R19.2 R20.2 R21.2 R22.2 R28.2 R35.1 R36.1 R37.2 R38.2 R44.1 TP1.1 U1.10 U1.19 U1.26 U1.35 U1.38 U1.57 U2.1 U2.9 U2.19 U3.1 U4.8 U5.8 U6.8 Y2.4 | length 473.5
  Top Layer w0.25: U1.57@99.7,28.25 102.579,28.25 102.725,28.396 102.725,28.675 C7.2@103.05,29 ; v1(110.869,50.997) 111.121,51.25 U2.9@111.993,51.25
  Top Layer w0.3: U6.8@48.175,56.095 48.05,55.97 C31.2@48.05,54 48.35,53.7 48.35,53.4 49.25,52.5 62,52.5 62,57.55 60.85,58.7 D6.1@60.55,58.7 ; 64.05,52.5 C30.2@64.05,54 64.05,55.97 U5.8@64.175,56.095 ; 71.19,37.94 71.25,38 ; C28.2@75.51,20.512 C28.2@75.817,20.819 ; D5.1@76.55,58.7 76.85,58.7 77.964,57.586 77.964,52.668 78.131,52.5 ; 80.131,52.5 80.05,52.581 C29.2@80.05,54 80.05,55.97 U4.8@80.175,56.095 ; 83.208,23.937 87.145,20 91.25,20 ; 84,26 84.05,26.05 C6.2@86,26.05 86.2,26.05 87.4,27.25 U1.26@88.3,27.25 ; 84,31.5 84.05,31.45 C9.2@86,31.45 86.3,31.15 86.6,31.15 87,30.75 U1.19@88.3,30.75 ; R1.2@84.5,48.95 84.5,52.5 ; D1.2@88.631,64 v1(91,64) D2.2@93.369,64 ; v1(90,52.5) 92,50.5 R2.2@92,48.95 ; U1.35@91.25,22.3 91.25,20 ; C8.2@92.65,20.1 C8.2@92.55,20 91.25,20 ; C8.2@92.75,20.2 U1.38@92.75,22.3 ; 92.75,38 92.55,37.8 C10.2@92.55,36 92.85,35.7 92.85,35.4 93.158,35.092 93.158,34.748 93.25,34.657 U1.10@93.25,33.7 ; v1(102.25,56.5) 103.95,56.5 C21.2@104,56.45 104.15,56.3 Y2.4@106.4,56.3 ; C7.2@103.05,29 v1(104,29) ; R16.2@108.95,47 R17.2@108.95,45 R13.2@108.95,43 108.95,41.05 109,41 ; v1(109,11) R11.1@109,12.05 ; U2.1@115.25,53.007 115.477,53.007 115.484,53 v1(116,53) ; v1(116,49) 116.007,49.007 U2.19@116.007,49.75 ; v1(119.25,9.5) 119.307,9.5 119.362,9.445 120.395,9.445 C26.2@120.5,9.55 120.5,8 121.81,6.69 P2.1@123,6.69 124.31,8 124.31,9.56 129.25,14.5 R35.1@130.55,14.5 ; R14.2@120.95,45 v1@121.75,45 ; R20.2@120.95,47 v1@121.75,47 ; R21.2@120.95,55 v1@121.75,55 ; v1@121.75,59 R28.2@123.05,59
  Top Layer w0.5: P3.1@32,22.5 32,23.25 34.55,25.8 C27.2@34.55,26 v1(35.5,26) ; v1(35.5,32) R38.2@36.45,32 41.5,32 43.5,34 54.5,34 56.54,36.04 P4.2@56.54,38 ; 62,52.5 64.05,52.5 68.5,52.5 ; 62.5,38 R9.2@62.5,31.45 63.25,31.45 R10.1@65,31.45 ; TP1.1@65,48.5 68.5,48.5 ; R44.1@65.95,44.75 68.25,44.75 ; 68.5,38 68.5,44.75 68.5,48.5 ; P1.2@71.19,34 71.19,37.94 ; MIKROBUS1.7@72.88,20.512 73.187,20.819 75.817,20.819 C28.2@76.017,20.819 80.09,20.819 83.208,23.937 84,24.728 84,26 84,31.5 84,38 ; v1(90,52.5) 84.5,52.5 80.131,52.5 78.131,52.5 68.5,52.5 ; v1(91,58.75) 92.5,58.75 D4.1@92.55,58.7 ; v1(102,52) R15.2@103.05,52 ; R19.2@120.95,50 121.75,50 125.95,50 126.2,50.25 126.709,50.25 127.824,51.365 J3.P4@129.11,51.365 130.38,52.635 J3.P5@131.65,52.635 ; R22.2@120.95,52 v1@121.75,52 ; 127,41 R37.2@127,38.95 127.5,38.95 R36.1@129,38.95 ; 133.5,41 135,39.5 135,37.5 135.45,37.05 C25.2@136.5,37.05 138.7,37.05 138.9,36.85 U3.1@138.9,34.75 ; 68.5,48.5 68.5,52.5
  Top Layer w1: P4.2@56.54,38 62.5,38 68.5,38 71.25,38 84,38 92.75,38 97.5,38 100.5,41 v1(103,41) 109,41 v1(110,41) v1(115,41) v1(121.75,41) 127,41 133.5,41
  Bottom Layer w0.3: v1(102.25,56.5) 102.25,56.419 102,56.169 v1(102,52) 103,51 v1(103,41) 103,30 v1(104,29) 104,16 v1(109,11) 110.5,9.5 v1(119.25,9.5) ; v1(110,41) 110,50.043 C17.2@110.007,50.05 C18.2@111.757,50.05 111.757,50.743 111.503,50.997 v1(110.869,50.997) ; C13.2@114.95,47 114.957,47.007 C14.2@114.957,48.75 115.748,48.75 v1(116,49) v1(116,49) ; v1(116,53) 116.257,52.743 C16.2@116.257,51.95 C15.2@118.007,51.95 118.757,51.95 118.807,52 v1@121.75,52
  Bottom Layer w0.5: v1(35.5,26) v1(35.5,32) ; v1(90,52.5) 91,53.5 v1(91,58.75) v1(91,64) 91,67.067 K1.7@90.75,67.317 ; C13.2@114.95,47 115.072,46.878 115.072,41.102 115,41.03 v1(115,41) ; v1@121.8,41 v1(121.8,45) v1(121.8,47) v1(121.8,50) v1(121.8,52) v1(121.8,55) v1(121.8,59)